# Altium PCB PCB2.PcbDoc
Units mm, origin at the board's own origin, x right, y up, seen from the top; angles counter-clockwise.
Board outline 72.13 x 55.32 mm, 2 copper layers (Top Layer, Bottom Layer); 27 components, 2 nets, 53 pads, 0 vias.
Unrouted connection lines stored in the file: 12.
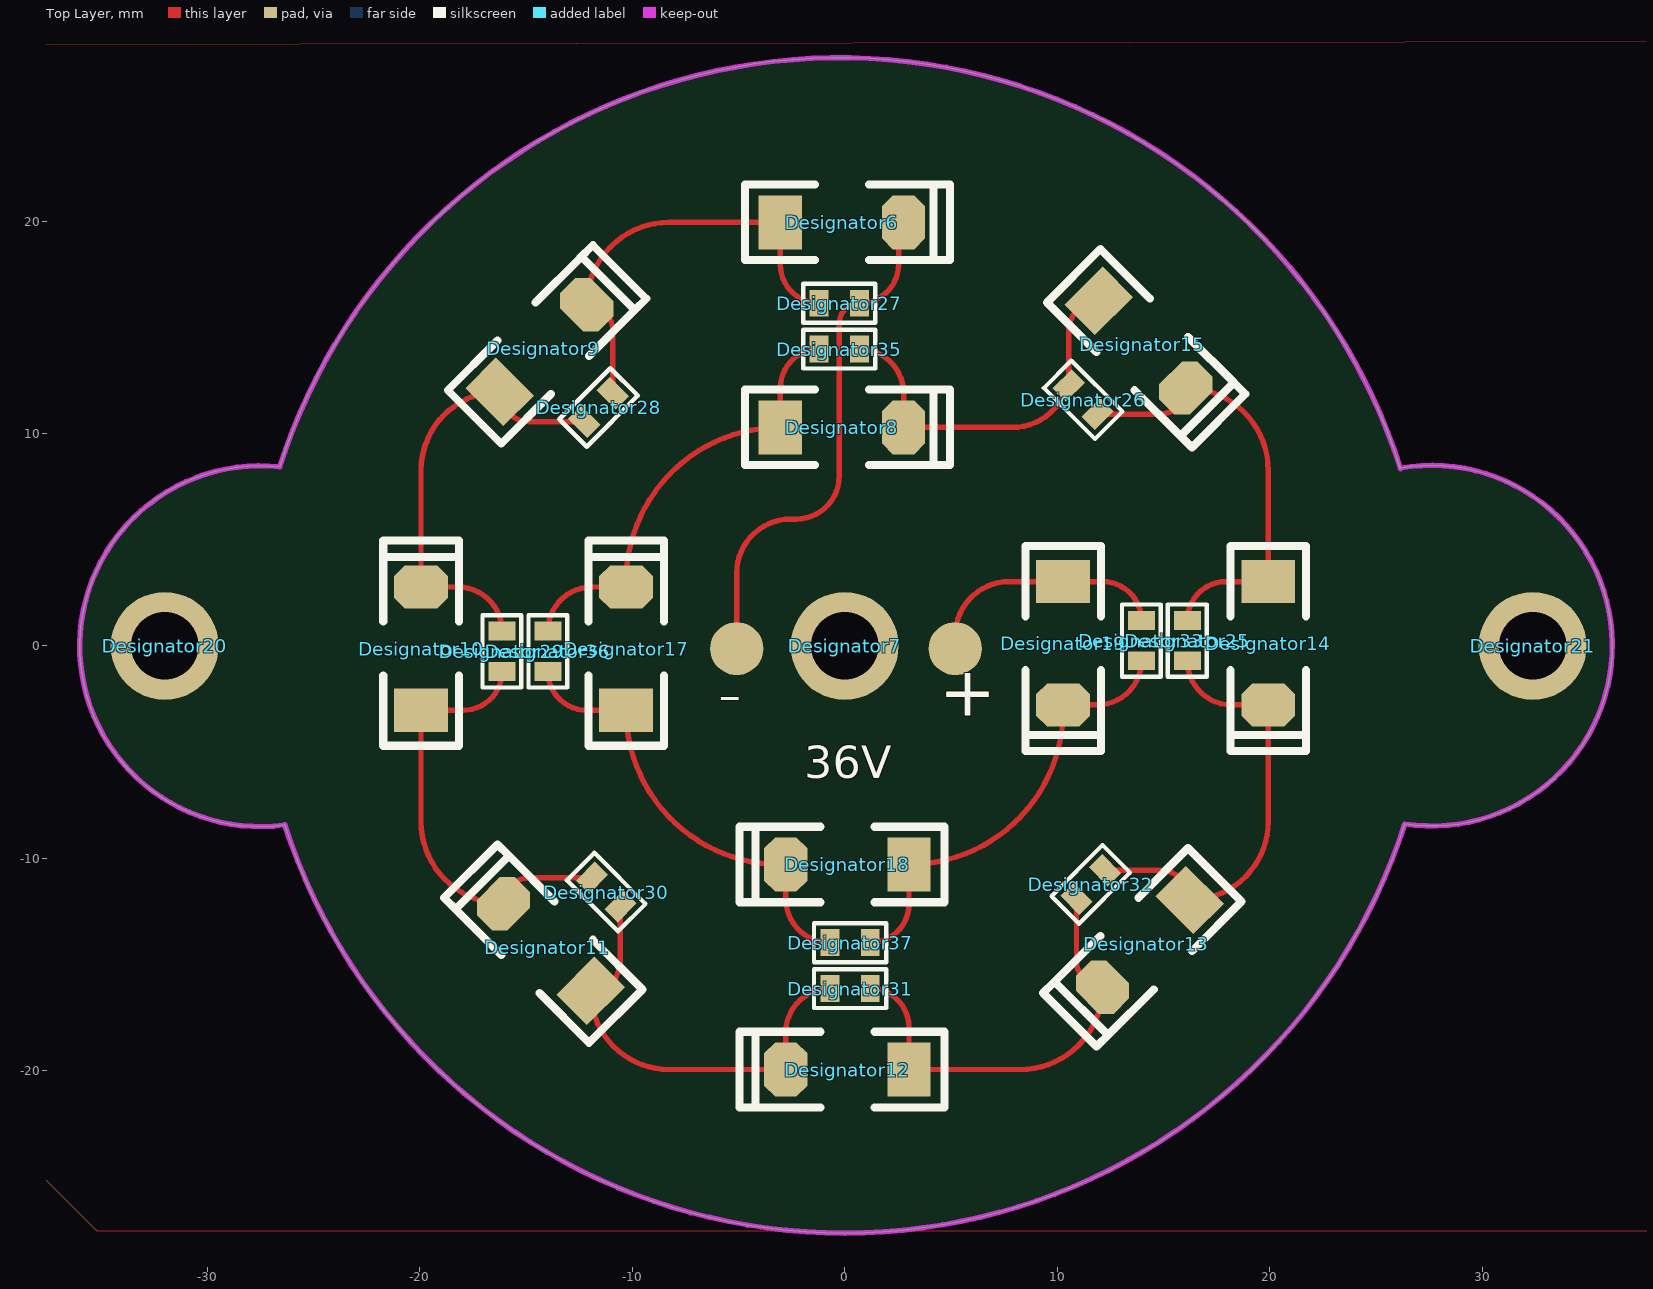
[diagram p0: Top Layer view]
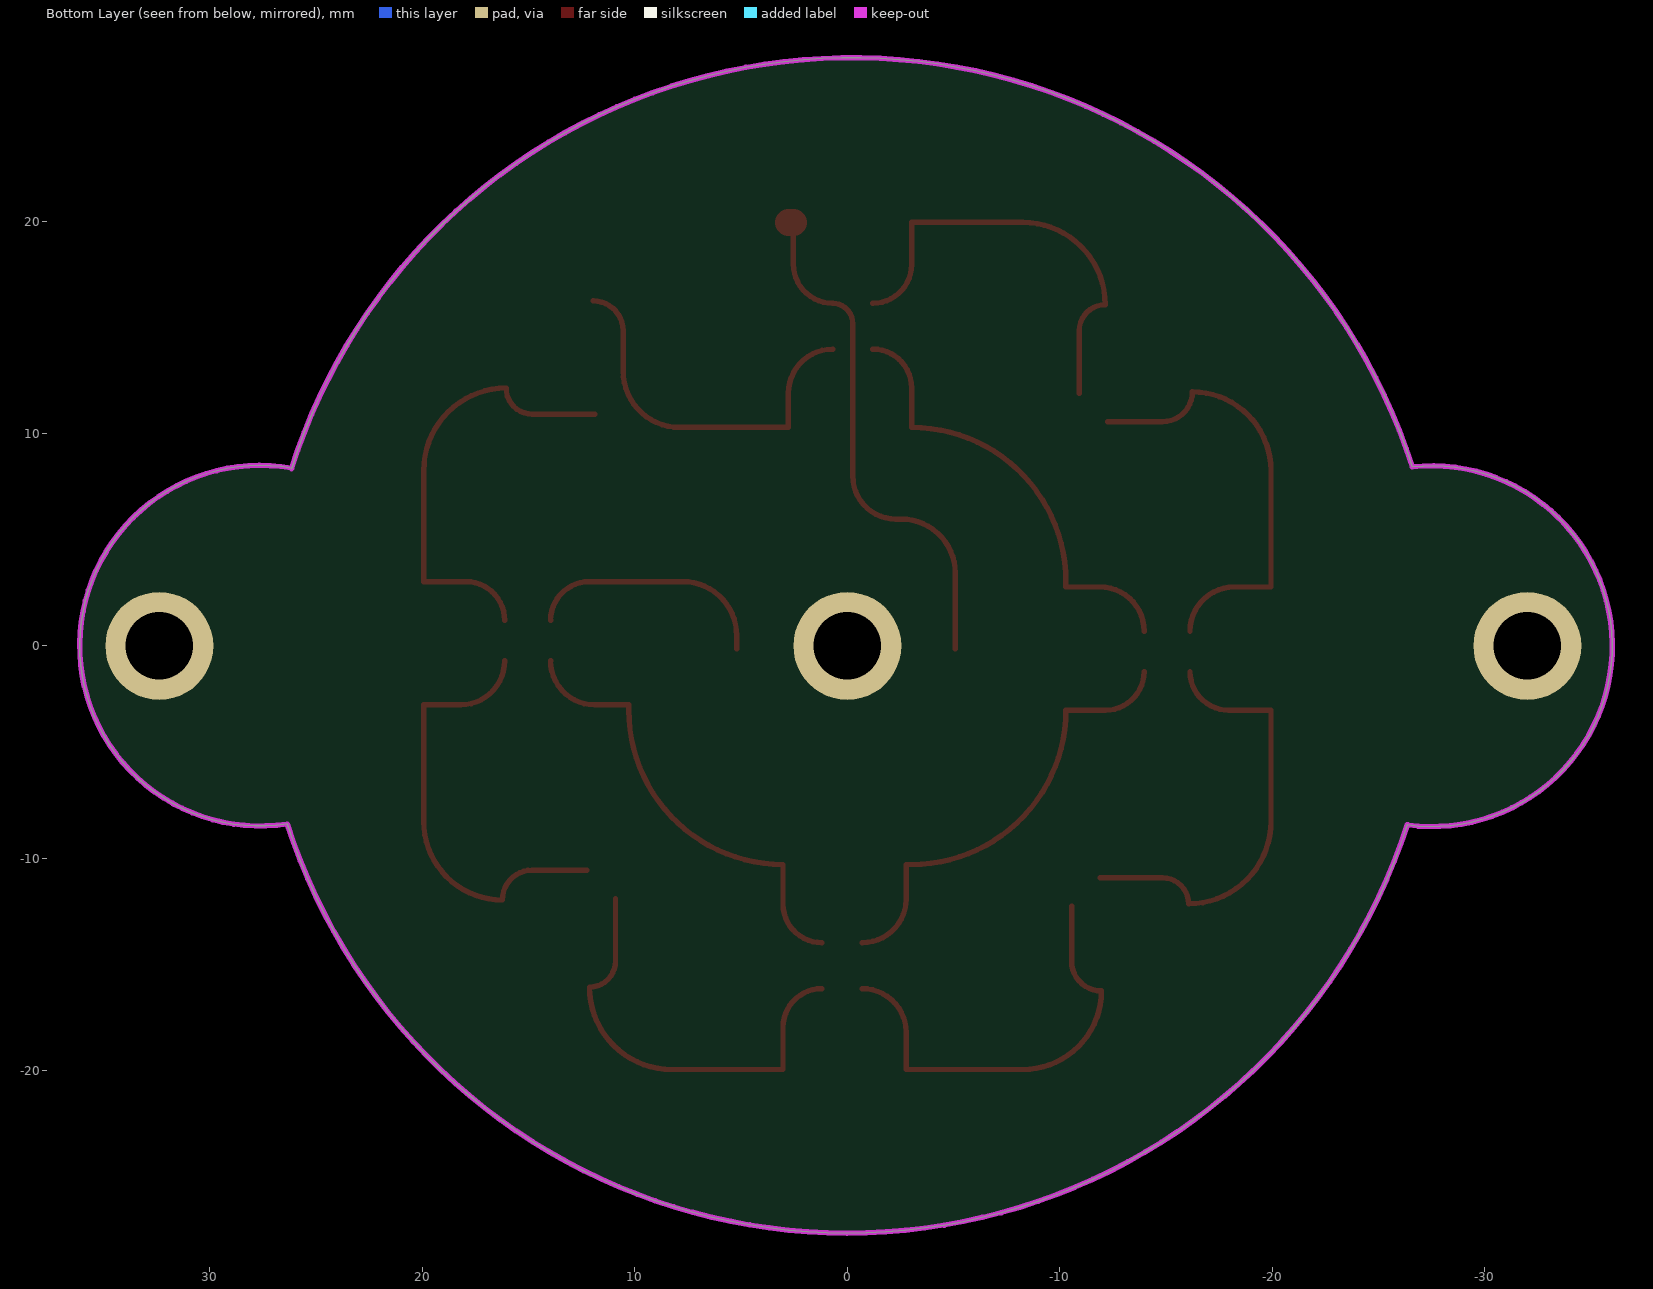
[diagram p1: Bottom Layer view, seen from below]
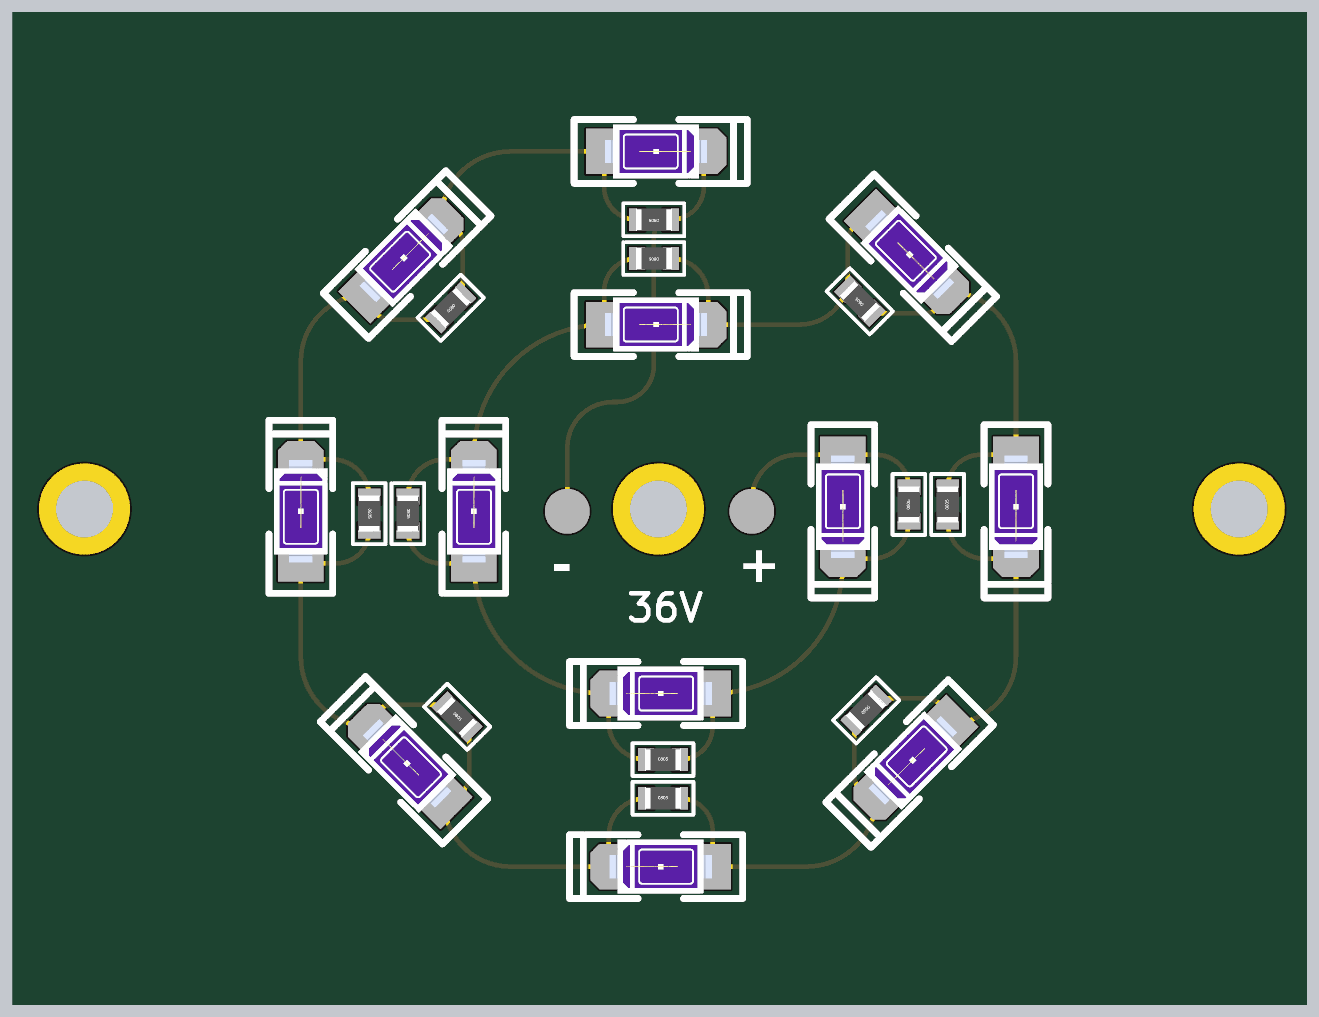
[diagram p2: 3D render of the assembled board from above, using the file's embedded part models]

## Layer stack, top to bottom
Top Solder: solder mask 0.0102, Solder Resist, Dk 3.5
Top Layer: signal copper 0.0356
Dielectric 1: dielectric 0.32, FR-4, Dk 4.8
Bottom Layer: signal copper 0.0356
Bottom Solder: solder mask 0.0102, Solder Resist, Dk 3.5

## Board outline
-26.375,-8.426 cw(c-27.513,-0.013) -26.593,8.427 -26.592,8.431 cw(c-0.228,0.01) 26.162,8.349 26.158,8.372 cw(c27.64,0.013) 26.362,-8.381 cw(c-0.002,0.04)

## Design rules (kind name [scope] priority, off if disabled: settings)
Clearance [All] p1: gap=0.254
PolygonConnect [All] p1: connectstyle=Relief reliefconductorwidth=0.254 reliefentries=4 polygonreliefangle="90 Angle" airgapwidth=0.254
RoutingVias [All] p1: holewidth=0.711 width=1.27 viastyle="Through Hole" minholewidth=0.711 minwidth=1.27 maxholewidth=0.711 maxwidth=1.27
SolderMaskExpansion [All] p1: expansion=0.102
UnpouredPolygon [All] p1: allowunpoured=FALSE
Width [All] p1: maxlimit=1.27 minlimit=0.254 preferedwidth=0.762
29 further rules are at their usual default settings.

## Components (designator, comment, footprint, x,y, rotation, side; value= is the part's Value field where it differs from the comment)
Designator6 "Comment" "LED 5730-V" -0.127,19.939 r0 top
Designator7 "Comment" "M3 125X200"#1 0.508,0.368 r0 top
Designator8 "Comment" "LED 5730-V" -0.127,10.287 r0 top
Designator9 "Comment" "LED 5730-V" -14.189,14.009 r45 top
Designator10 "Comment" "LED 5730-V" -19.939,-0.127 r90 top
Designator11 "Comment" "LED 5730-V" -14.009,-14.189 r135 top
Designator12 "Comment" "LED 5730-V" 0.127,-19.939 r180 top
Designator13 "Comment" "LED 5730-V" 14.189,-14.009 r225 top
Designator14 "Comment" "LED 5730-V" 19.939,0.127 r270 top
Designator15 "Comment" "LED 5730-V" 14.009,14.189 r315 top
Designator17 "Comment" "LED 5730-V" -10.287,-0.127 r90 top
Designator18 "Comment" "LED 5730-V" 0.127,-10.287 r180 top
Designator19 "Comment" "LED 5730-V" 10.287,0.127 r270 top
Designator20 "Comment" "M3 125X200"#2 -32.004,0 r0 top
Designator21 "Comment" "M3 125X200"#2 32.385,0 r0 top
Designator25 "Comment" "R 0805" 16.129,0.254 r90 top
Designator26 "Comment" "R 0805" 11.225,11.585 r135 top
Designator27 "Comment" "R 0805" -0.254,16.129 r180 top
Designator28 "Comment" "R 0805" -11.585,11.225 r225 top
Designator29 "Comment" "R 0805" -16.129,-0.254 r270 top
Designator30 "Comment" "R 0805" -11.225,-11.585 r315 top
Designator31 "Comment" "R 0805" 0.254,-16.129 r0 top
Designator32 "Comment" "R 0805" 11.585,-11.225 r45 top
Designator33 "Comment" "R 0805" 13.97,0.254 r90 top
Designator35 "Comment" "R 0805" -0.254,13.97 r180 top
Designator36 "Comment" "R 0805" -13.97,-0.254 r270 top
Designator37 "Comment" "R 0805" 0.254,-13.97 r0 top

## Footprints (in the part's own frame and the unit in brackets; to place one, negate y for a bottom-side part, rotate by r counter-clockwise, add the part's x,y. Pads: shape width x height; smd on the part's side, far side on the other; paste and mask are expansions set on the pad)
"LED 5730-V" [mm] "紫色5730LED"
  rect 2.032x2.54 smd: A(-2.9,0)
  oct 2.032x2.54 smd: K(2.9,0)
  silkscreen extent -4.57,-1.78 5.08,1.78, body extent -2.85,-1.5 2.85,1.5, height 0.85
"M3 125X200"#1 [mil] "M3螺丝孔，孔125Mil，焊盘200Mil"
  round 200 hole 125: 1(-20,-14.51)
"M3 125X200"#2 [mil] "M3螺丝孔，孔125Mil，焊盘200Mil"
  round 200 hole 125: 1(0,0)
"R 0805" [mm]
  rect 0.889x1.27 smd: 1(-0.95,0) 2(0.95,0)
  silkscreen extent -1.7,-0.91 1.7,0.91, body extent -1,-0.62 1,0.63, height 0.5

## Free pads (board coordinates)
  round 2.5 smd: 0(-5.08,-0.127) 1(5.207,-0.127)

## Nets (pads, with @x,y where several pads share a name; then routed paths per layer and width w, separated by ;. In a path a pad name is that pad's centre, name@x,y a point inside that pad or via, vN(x,y) a via of type N, cw(c..) or ccw(c..) an arc to the next point about the centre after c; other vN are vias at no path point)
GND: Designator7.1
VCC: Designator6.A Designator6.K Designator8.A Designator8.K Designator9.A Designator9.K Designator10.A Designator10.K Designator11.A Designator11.K Designator12.A Designator12.K Designator13.A Designator13.K Designator14.A Designator14.K Designator15.A Designator15.K Designator17.A Designator17.K Designator18.A Designator18.K Designator19.A Designator19.K Designator25.1 Designator25.2 Designator26.1 Designator26.2 Designator27.1 Designator27.2 Designator28.1 Designator28.2 Designator29.1 Designator29.2 Designator30.1 Designator30.2 Designator31.1 Designator31.2 Designator32.1 Designator32.2 Designator33.1 Designator33.2 Designator35.1 Designator35.2 Designator36.1 Designator36.2 Designator37.1 Designator37.2 pad.0 pad.1 | length 266
  Top Layer w0.254: Designator29.2 cw(c-17.952,-1.204) -17.952,-3.027 Designator10.A -19.939,-8.259 ccw(c-16.06,-8.259) Designator11.K cw(c-14.834,-12.138) -14.834,-10.913 Designator30.1 ; Designator29.1 ccw(c-18.206,0.696) -18.206,2.773 Designator10.K -19.939,8.259 cw(c-16.239,8.259) Designator9.A ccw(c-14.834,11.959) -14.834,10.554 Designator28.2 ; Designator36.2 ccw(c-12.147,-1.204) -12.147,-3.027 Designator17.A ccw(c-3.027,-3.027) -3.027,-10.287 Designator18.K -2.773,-11.893 ccw(c-0.696,-11.893) Designator37.1 ; Designator36.1 cw(c-11.893,0.696) -11.893,2.773 Designator17.K -10.287,3.027 cw(c-3.027,3.027) Designator8.A -3.027,12.147 cw(c-1.204,12.147) Designator35.2 ; Designator28.1 -10.913,14.834 ccw(c-12.138,14.834) Designator9.K cw(c-8.259,16.06) -8.259,19.939 Designator6.A -3.027,17.952 ccw(c-1.204,17.952) Designator27.2 ; Designator30.2 -10.554,-14.834 cw(c-11.959,-14.834) Designator11.A ccw(c-8.259,-16.239) -8.259,-19.939 Designator12.K -2.773,-18.206 cw(c-0.696,-18.206) Designator31.1 ; pad.0 -5.08,3.429 cw(c-2.54,3.429) -2.54,5.969 -2.286,5.969 ccw(c-2.286,8.001) -0.254,8.001 -0.254,15.179 cw(c0.696,15.179) Designator27.1 ccw(c0.696,17.973) 2.54,17.973 Designator6.K@2.54,19.939 ; Designator35.1 cw(c0.696,11.893) 2.773,11.893 Designator8.K 7.901,10.287 ccw(c7.901,12.939) 10.554,12.939 10.554,14.834 cw(c11.959,14.834) Designator15.A ; Designator31.2 cw(c1.204,-17.952) 3.027,-17.952 Designator12.A 8.259,-19.939 ccw(c8.259,-16.06) Designator13.K cw(c12.138,-14.834) 10.913,-14.834 Designator32.1 ; Designator37.2 ccw(c1.204,-12.147) 3.027,-12.147 Designator18.A ccw(c3.027,-3.027) 10.287,-3.027 Designator19.K 11.893,-2.773 ccw(c11.893,-0.696) Designator33.1 ; pad.1 5.207,0.487 cw(c7.747,0.487) 7.747,3.027 Designator19.A 12.147,3.027 cw(c12.147,1.204) Designator33.2 ; Designator26.1 14.834,10.913 ccw(c14.834,12.138) Designator15.K cw(c16.06,8.259) 19.939,8.259 Designator14.A 17.952,3.027 ccw(c17.952,1.204) Designator25.2 ; Designator32.2 14.834,-10.554 cw(c14.834,-11.959) Designator13.A ccw(c16.239,-8.259) 19.939,-8.259 Designator14.K 18.206,-2.773 cw(c18.206,-0.696) Designator25.1
  Top Layer w1.27: Designator6.K@2.54,19.939 Designator6.K
pads on no net: Designator20.1 Designator21.1

## Polygon pours and split planes (outlines as drawn)
GND on Top Layer "Keep-Out Layer-No Net" (solid, remove dead copper, shelved, pour order 2): 39.37,28.46 39.37,-27.559 -35.179,-27.559 -38.608,-24.13 -38.608,28.315

## Keep-outs
Keep-Out Layer:
  lines w0.254: -26.593,8.427 ccw(c-27.513,-0.013) -26.375,-8.426 ; -26.592,8.431 cw(c-0.228,0.01) 26.162,8.349 ; -26.354,-8.419 ccw(c-0.002,0.04) 26.362,-8.381 ccw(c27.64,0.013) 26.158,8.372

## Silkscreen, mask and mechanical layers (free items; w line width, h text height)
Top Overlay:
  text "-" at -5.969,-4.064 h4
  text "+" at 4.445,-4.064 h4
  text "36V" at -1.905,-6.223 h1.52